# KiCad board q2v2.kicad_pcb (continued)
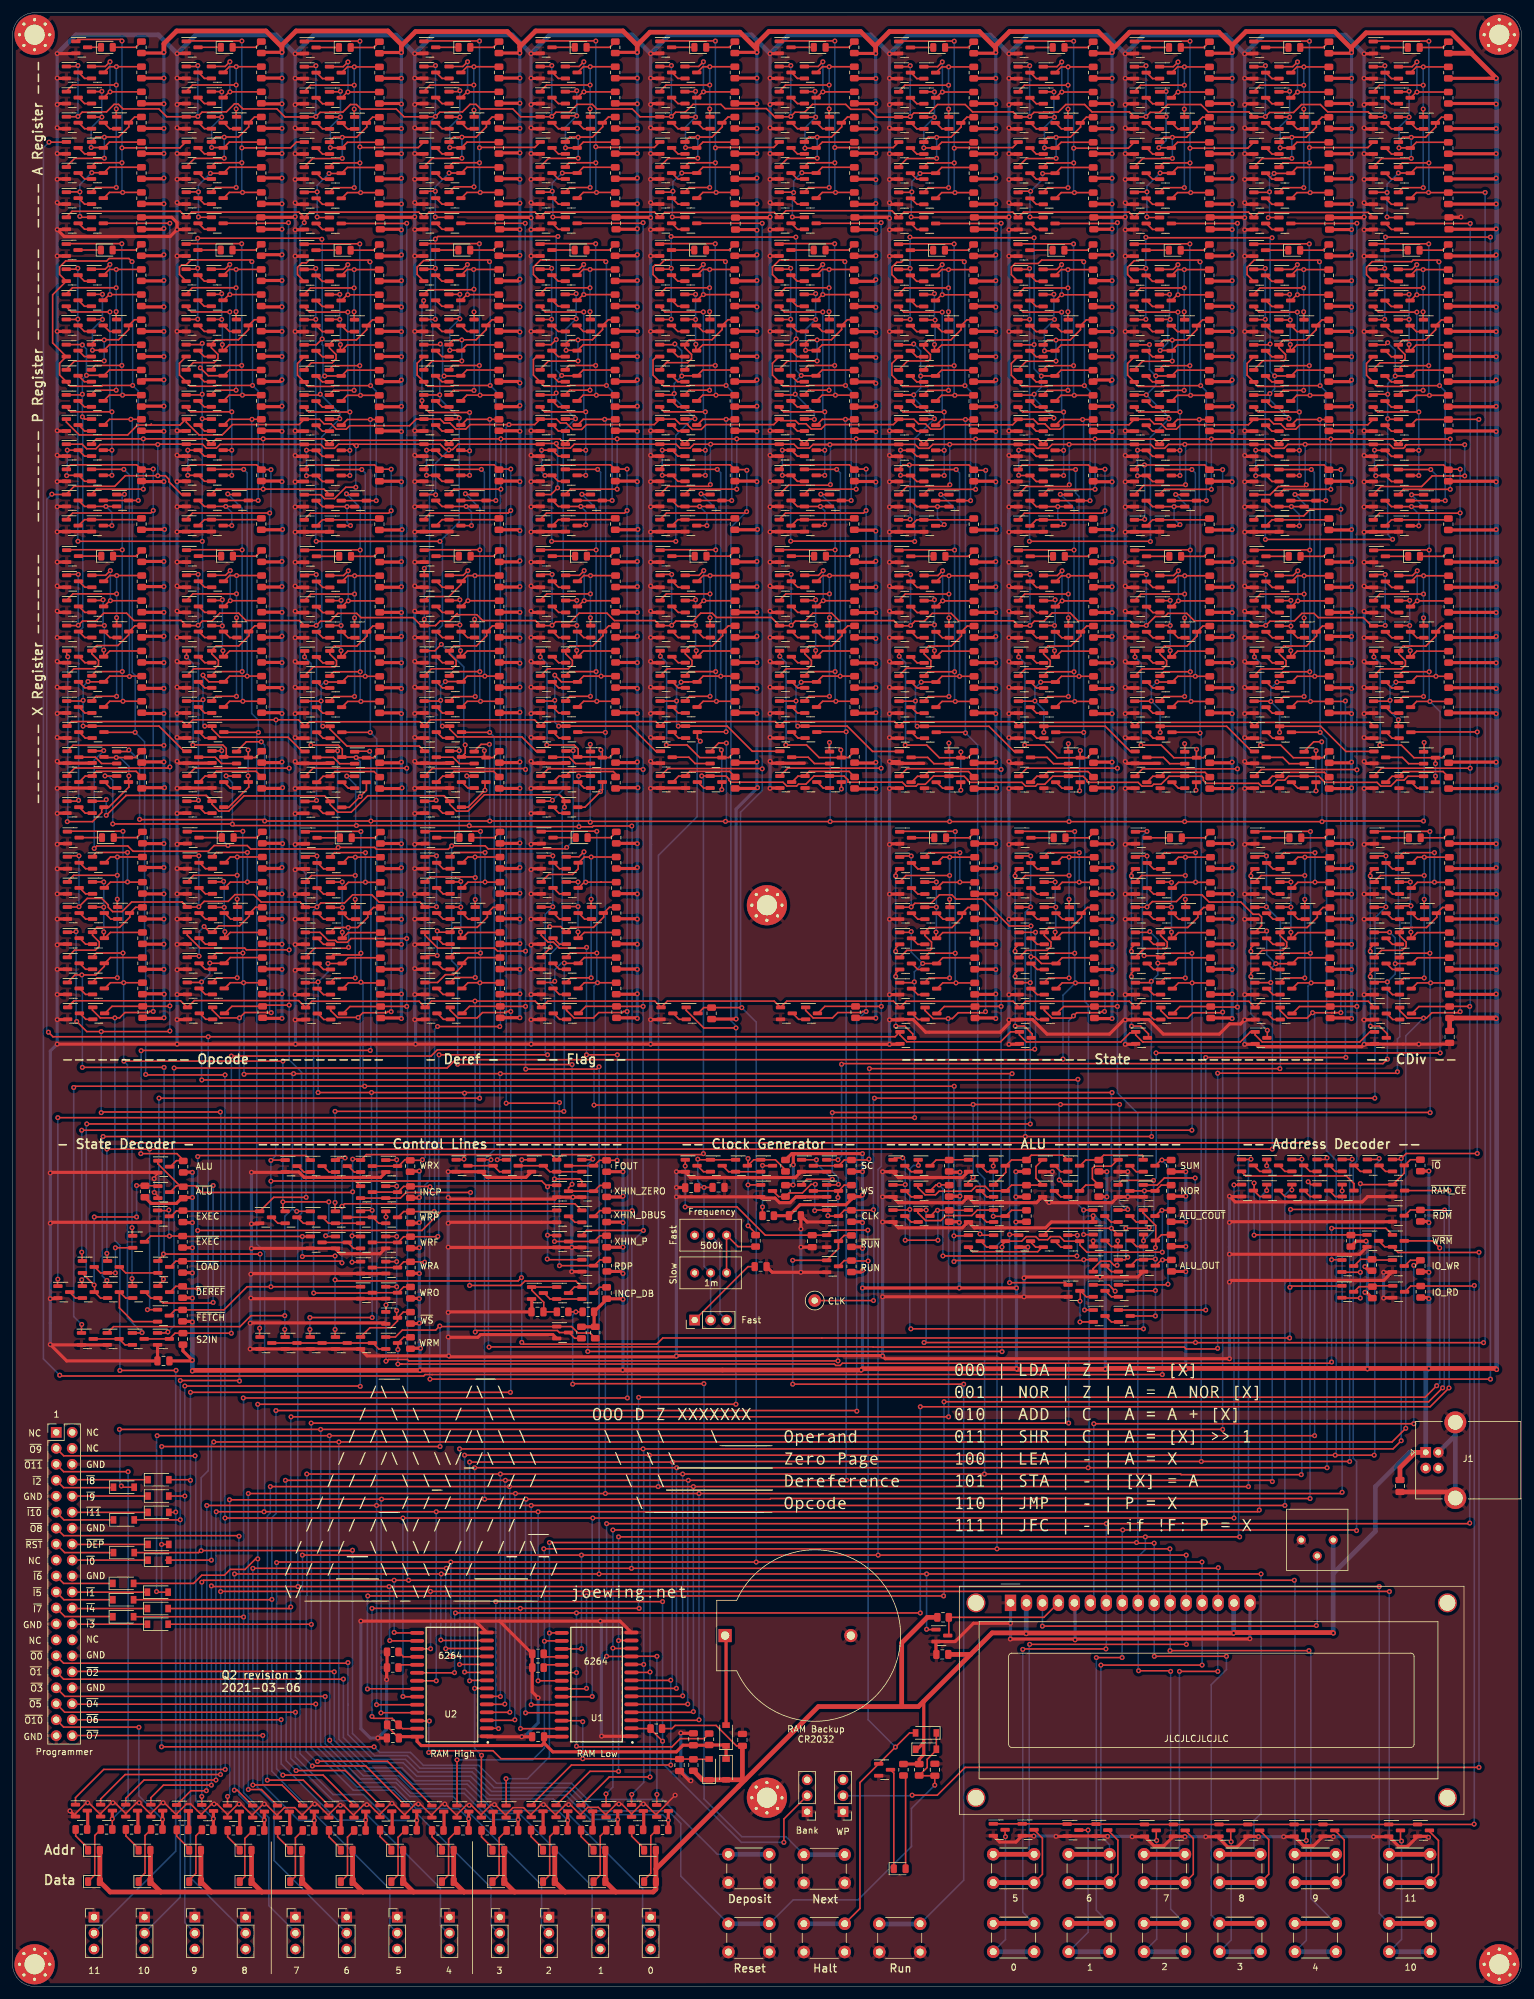
[diagram p0: board, top side]
## Routing (per net, layer and track width the routed paths; a pad name or vN(x,y) marks a point on that pad's centre or on a via; arc(x,y) is an arc through that point) (continued)
Net-(Q533-Pad2): length 2.4
  Top w0.25: 67.36,256.27 68.31,255.32 69.36,255.32
Net-(Q534-Pad2): length 2.4
  Top w0.25: 67.36,272.27 68.31,271.32 69.36,271.32
Net-(Q535-Pad1): length 20.1
  Top w0.25: R228.2 76.27,265.18 75.36,264.27 75.36,263.62 73.73,261.99 71.48,261.99 ; 69.36,261.22 70.13,261.99 71.48,261.99 ; 71.48,261.99 v1(71.45,261.97) ; 65.36,257.22 66.73,258.59 71.42,258.59 v1(71.45,258.63)
  Bottom w0.25: v1(71.45,261.97) v1(71.45,258.63)
Net-(Q537-Pad2): length 2.4
  Top w0.25: 71.36,264.27 72.3,263.32 73.36,263.32
Net-(Q538-Pad2): length 2.4
  Top w0.25: 67.36,264.27 68.31,263.32 69.36,263.32
Net-(Q540-Pad2): length 2.4
  Top w0.25: 67.36,260.27 68.31,259.32 69.36,259.32
Net-(Q542-Pad2): length 2.4
  Top w0.25: 67.38,280.52 68.33,279.57 69.38,279.57
Net-(Q544-Pad1): length 39.3
  Top w0.25: 71.38,304.52 72.29,305.43 v1(73.39,305.43) R234.2 ; 65.38,301.47 66.42,302.52 v1(73.38,302.52) ; v1(73.4,286.33) 70.29,286.33 69.44,285.47 ; v1(73.4,298.53) 73.4,297.51
  Bottom w0.25: v1(73.39,305.43) 73.38,305.42 v1(73.38,302.52) 73.38,298.55 v1(73.4,298.53) v1(73.4,286.33)
Net-(Q544-Pad2): length 2.4
  Top w0.25: 67.38,284.52 68.33,283.57 69.38,283.57
Net-(Q545-Pad1): length 21.3
  Top w0.25: 71.38,292.52 72.29,293.43 R236.2 ; v1(71.15,297.43) 69.48,297.43 ; Q545.1 71,301.47 v1(71.15,301.63) ; v1(69.55,292.57) 71.26,292.57
  Bottom w0.25: v1(71.15,301.63) v1(71.15,297.43) 69.55,295.83 v1(69.55,292.57)
Net-(Q545-Pad2): length 2.4
  Top w0.25: 67.38,300.52 68.33,299.57 69.38,299.57
Net-(Q545-Pad3): length 14.5
  Top w0.25: 71.38,300.52 72.29,301.43 v1(72.39,301.43) R231.2 ; v1(72.38,306.22) 71.62,305.47 69.38,305.47
  Bottom w0.25: v1(72.38,306.22) 72.38,301.45 v1(72.39,301.43)
Net-(Q549-Pad2): length 2.4
  Top w0.25: 67.38,288.52 68.33,287.57 69.38,287.57
Net-(Q550-Pad2): length 2.4
  Top w0.25: 67.38,304.52 68.33,303.57 69.38,303.57
Net-(Q551-Pad1): length 20.1
  Top w0.25: R235.2 76.29,297.43 75.38,296.52 75.38,295.87 73.75,294.25 71.5,294.25 ; 69.38,293.47 70.15,294.25 71.5,294.25 ; 71.5,294.25 v1(71.47,294.22) ; 65.38,289.47 66.75,290.85 71.44,290.85 v1(71.47,290.88)
  Bottom w0.25: v1(71.47,294.22) v1(71.47,290.88)
Net-(Q553-Pad2): length 2.4
  Top w0.25: 71.38,296.52 72.32,295.57 73.38,295.57
Net-(Q554-Pad2): length 2.4
  Top w0.25: 67.38,296.52 68.33,295.57 69.38,295.57
Net-(Q556-Pad2): length 2.4
  Top w0.25: 67.38,292.52 68.33,291.57 69.38,291.57
Net-(Q558-Pad2): length 2.3
  Top w0.25: 71.48,191.62 72.43,190.67 73.38,190.67
Net-(Q559-Pad2): length 2.4
  Top w0.25: 67.47,199.57 68.42,198.62 69.47,198.62
Net-(Q560-Pad2): length 2.4
  Top w0.25: 67.48,187.62 68.43,186.67 69.48,186.67
Net-(Q561-Pad2): length 6.4
  Top w0.25: 71.05,194.57 70.05,195.57 67.48,195.57 ; 71.01,194.57 73.38,194.57
Net-(Q563-Pad1): length 11
  Top w0.25: R238.2 76.54,193.32 70.22,193.32 69.48,192.57 68.43,192.57 67.48,191.62
Net-(Q568-Pad1): length 38.5
  Top w0.25: 71.42,223.56 72.34,224.47 v1(73.55,224.47) R243.2 ; Q577.1 73.49,217.51 v1(73.5,217.53) ; Q574.3 71.36,223.08 69.42,221.14 66.11,221.14 Q571.1 ; Q568.1 70.2,205.23 v1(73.6,205.23)
  Bottom w0.25: v1(73.6,205.23) 73.5,205.33 v1(73.5,217.53) 73.5,224.42 v1(73.55,224.47)
Net-(Q568-Pad2): length 2.4
  Top w0.25: 67.42,203.56 68.38,202.61 69.42,202.61
Net-(Q569-Pad1): length 18.6
  Top w0.25: 71.42,211.56 72.34,212.47 R245.2 ; v1(71.25,212.53) 71.25,211.67 ; v1(71.15,220.63) 71.03,220.51 Q569.1 ; v1(71.15,216.63) 69.6,216.63
  Bottom w0.25: v1(71.15,220.63) v1(71.15,216.63) 71.15,212.63 v1(71.25,212.53)
Net-(Q569-Pad2): length 2.4
  Top w0.25: 67.42,219.56 68.38,218.61 69.42,218.61
Net-(Q569-Pad3): length 14.5
  Top w0.25: 71.42,219.56 72.34,220.47 v1(72.44,220.47) R240.2 ; v1(72.42,225.26) 71.67,224.51 69.42,224.51
  Bottom w0.25: v1(72.42,225.26) 72.42,220.49 v1(72.44,220.47)
Net-(Q573-Pad2): length 2.4
  Top w0.25: 67.42,207.56 68.38,206.61 69.42,206.61
Net-(Q574-Pad2): length 2.4
  Top w0.25: 67.42,223.56 68.38,222.61 69.42,222.61
Net-(Q575-Pad1): length 18.5
  Top w0.25: R244.2 76.34,216.47 75.42,215.56 75.42,214.91 73.8,213.29 70.2,213.29 69.42,212.51 ; Q575.1 66.63,209.65 69.93,209.65 70.55,210.26 70.55,210.96 69.49,212.03 Q580.1
Net-(Q577-Pad2): length 2.4
  Top w0.25: 71.42,215.56 72.37,214.61 73.42,214.61
Net-(Q578-Pad2): length 2.4
  Top w0.25: 67.42,215.56 68.38,214.61 69.42,214.61
Net-(Q580-Pad2): length 2.4
  Top w0.25: 67.42,211.56 68.38,210.61 69.42,210.61
Net-(Q582-Pad1): length 39.5
  Top w0.25: 71.54,178.78 72.45,179.69 v1(73.57,179.69) R250.2 ; Q582.1 70.39,160.53 v1(73.6,160.53) ; v1(73.6,172.93) 73.6,171.73 ; v1(73.6,176.43) 73.49,176.53 66.4,176.53 Q585.1
  Bottom w0.25: v1(73.57,179.69) 73.6,179.66 v1(73.6,176.43) v1(73.6,172.93) v1(73.6,160.53)
Net-(Q582-Pad2): length 2.4
  Top w0.25: 67.54,158.78 68.49,157.83 69.54,157.83
Net-(Q583-Pad1): length 18.9
  Top w0.25: 71.54,166.78 72.45,167.69 R252.2 ; v1(71.26,167.78) 71.26,166.99 Q594.3 ; Q583.1 71.22,175.73 v1(71.3,175.81) ; v1(71.3,171.73) 69.6,171.73
  Bottom w0.25: v1(71.3,175.81) v1(71.3,171.73) 71.3,167.82 v1(71.26,167.78)
Net-(Q583-Pad2): length 2.4
  Top w0.25: 67.54,174.78 68.49,173.83 69.54,173.83
Net-(Q583-Pad3): length 17.1
  Top w0.25: 71.54,174.78 72.45,175.69 75.1,175.69 ; 75.15,175.69 75.15,175.71 v1(75.16,175.72) 75.13,175.72 75.1,175.69 ; 75.15,175.69 R247.2 ; 75.15,175.69 75.1,175.69 ; 69.54,179.73 70.22,180.42 v1(75.16,180.42)
  Bottom w0.25: v1(75.16,175.72) v1(75.16,180.42)
Net-(Q587-Pad2): length 2.4
  Top w0.25: 67.54,162.78 68.49,161.83 69.54,161.83
Net-(Q588-Pad2): length 2.4
  Top w0.25: 67.54,178.78 68.49,177.83 69.54,177.83
Net-(Q589-Pad1): length 18.1
  Top w0.25: R251.2 76.45,171.69 75.54,170.78 75.54,170.13 73.91,168.51 70.31,168.51 69.54,167.73 ; Q594.1 67.75,167.73 v1(67.55,167.93) ; v1(67.55,164.03) 65.89,164.03 Q589.1
  Bottom w0.25: v1(67.55,167.93) v1(67.55,164.03)
Net-(Q591-Pad2): length 2.4
  Top w0.25: 71.54,170.78 72.48,169.83 73.54,169.83
Net-(Q592-Pad2): length 2.4
  Top w0.25: 67.54,170.78 68.49,169.83 69.54,169.83
Net-(Q594-Pad2): length 2.4
  Top w0.25: 67.54,166.78 68.49,165.83 69.54,165.83
Net-(Q596-Pad2): length 2.4
  Top w0.25: 182.6,153.85 181.55,153.85 180.6,154.8
Net-(Q599-Pad2): length 2.4
  Top w0.25: 182.4,247.45 181.35,247.45 180.4,248.4
Net-(Q601-Pad2): length 13
  Top w0.25: 179.3,240.3 180.3,240.3 ; 182.4,243.45 181.35,243.45 180.4,244.4 ; 182.4,239.45 181.35,239.45 180.4,240.4 ; v1(178.95,244.43) 178.98,244.4 Q605.3 ; Q606.3 179,240.4 v1(178.95,240.35)
  Bottom w0.25: 178.95,243.73 178.95,243.73 v1(178.95,244.43) ; 178.95,243.73 v1(178.95,240.35) ; 178.95,243.73 178.95,244.05
Net-(Q603-Pad2): length 11.3
  Top w0.25: 180.4,236.4 181.35,235.45 Q604.2 ; v1(185.7,232.58) 185.52,232.4 184.4,232.4
  Bottom w0.25: 185.7,232.4 v1(185.7,232.58) 184.77,233.51 v1(184.77,235.45)
Net-(Q608-Pad1): length 10.2
  Top w0.25: 180.4,232.4 181.35,233.35 190.19,233.35
Net-(Q610-Pad1): length 39.6
  Top w0.25: R261.2 v1(186.39,273.15) 185.29,273.15 184.38,272.24 ; v1(186.38,270.24) 179.43,270.24 178.38,269.19 ; v1(186.38,266.44) 186.38,265.19 ; 182.38,253.19 183.13,253.94 v1(186.38,253.94)
  Bottom w0.25: v1(186.39,273.15) 186.38,273.14 v1(186.38,270.24) v1(186.38,266.44) v1(186.38,253.94)
Net-(Q610-Pad2): length 2.4
  Top w0.25: 180.38,252.24 181.33,251.29 182.38,251.29
Net-(Q611-Pad1): length 21
  Top w0.25: R263.2 185.29,261.15 184.38,260.24 ; Q611.1 184.01,269.19 v1(184.05,269.23) ; v1(182.55,260.29) 184.27,260.29 ; v1(184.15,265.23) 182.48,265.23
  Bottom w0.25: v1(184.05,269.23) 184.05,265.33 v1(184.15,265.23) 183.75,264.83 183.75,261.5 v1(182.55,260.29)
Net-(Q611-Pad2): length 2.4
  Top w0.25: 180.38,268.24 181.33,267.29 182.38,267.29
Net-(Q611-Pad3): length 14.5
  Top w0.25: R258.2 v1(185.39,269.15) 185.29,269.15 184.38,268.24 ; v1(185.38,273.94) 184.63,273.19 182.38,273.19
  Bottom w0.25: v1(185.39,269.15) 185.38,269.17 v1(185.38,273.94)
Net-(Q615-Pad2): length 2.4
  Top w0.25: 182.38,255.29 181.33,255.29 180.38,256.24
Net-(Q616-Pad2): length 2.4
  Top w0.25: 182.38,271.29 181.33,271.29 180.38,272.24
Net-(Q617-Pad1): length 20.1
  Top w0.25: 178.38,257.19 179.75,258.57 184.44,258.57 v1(184.48,258.6) ; 184.51,261.97 186.75,261.97 188.38,263.59 188.38,264.24 189.29,265.15 R262.2 ; 184.51,261.97 183.16,261.97 182.38,261.19 ; 184.51,261.97 v1(184.48,261.94)
  Bottom w0.25: v1(184.48,261.94) v1(184.48,258.6)
Net-(Q619-Pad2): length 2.4
  Top w0.25: 186.38,263.29 185.33,263.29 184.38,264.24
Net-(Q620-Pad2): length 2.4
  Top w0.25: 180.38,264.24 181.33,263.29 182.38,263.29
Net-(Q622-Pad2): length 2.4
  Top w0.25: 182.38,259.29 181.33,259.29 180.38,260.24
Net-(Q624-Pad2): length 2.4
  Top w0.25: 182.4,279.55 181.35,279.55 180.4,280.5
Net-(Q626-Pad1): length 39.6
  Top w0.25: v1(186.4,298.7) 186.4,297.45 ; 182.4,285.45 183.15,286.2 v1(186.4,286.2) ; 184.4,304.5 185.31,305.41 v1(186.41,305.41) R268.2 ; 178.4,301.45 179.45,302.5 v1(186.4,302.5)
  Bottom w0.25: v1(186.4,286.2) v1(186.4,298.7) v1(186.4,302.5) 186.4,305.4 v1(186.41,305.41)
Net-(Q626-Pad2): length 2.4
  Top w0.25: 182.4,283.55 181.35,283.55 180.4,284.5
Net-(Q627-Pad1): length 19.9
  Top w0.25: v1(183.5,301.5) 183.45,301.45 182.4,301.45 ; R270.2 185.31,293.41 184.4,292.5 ; v1(183.5,297.5) 182.45,297.5 ; v1(182.35,292.55) 184.29,292.55
  Bottom w0.25: v1(183.5,301.5) v1(183.5,297.5) 183.5,293.7 v1(182.35,292.55)
Net-(Q627-Pad2): length 2.4
  Top w0.25: 180.4,300.5 181.35,299.55 182.4,299.55
Net-(Q627-Pad3): length 14.5
  Top w0.25: v1(185.4,306.2) 184.65,305.45 182.4,305.45 ; R265.2 v1(185.41,301.41) 185.31,301.41 184.4,300.5
  Bottom w0.25: v1(185.4,306.2) 185.4,301.42 v1(185.41,301.41)
Net-(Q631-Pad2): length 2.4
  Top w0.25: 182.4,287.55 181.35,287.55 180.4,288.5
Net-(Q632-Pad2): length 2.4
  Top w0.25: 180.4,304.5 181.35,303.55 182.4,303.55
Net-(Q633-Pad1): length 20.1
  Top w0.25: v1(184.5,290.86) 184.46,290.82 179.77,290.82 178.4,289.45 ; 184.53,294.22 v1(184.5,294.2) ; 184.53,294.22 186.78,294.22 188.4,295.85 188.4,296.5 189.31,297.41 R269.2 ; 184.53,294.22 183.18,294.22 182.4,293.45
  Bottom w0.25: v1(184.5,294.2) v1(184.5,290.86)
Net-(Q635-Pad2): length 2.4
  Top w0.25: 186.4,295.55 185.35,295.55 184.4,296.5
Net-(Q636-Pad2): length 2.4
  Top w0.25: 180.4,296.5 181.35,295.55 182.4,295.55
Net-(Q638-Pad2): length 2.4
  Top w0.25: 182.4,291.55 181.35,291.55 180.4,292.5
Net-(Q640-Pad2): length 2.3
  Top w0.25: 184.5,191.6 185.45,190.65 186.4,190.65
Net-(Q641-Pad2): length 2.4
  Top w0.25: 182.5,198.6 181.45,198.6 180.5,199.55
Net-(Q642-Pad2): length 6.4
  Top w0.25: 184.08,194.55 183.08,195.55 180.5,195.55 ; 184.04,194.55 186.4,194.55
Net-(Q643-Pad3): length 11
  Top w0.25: R272.2 189.69,193.17 183.19,193.17 Q644.1 181.39,192.55 Q643.3
Net-(Q647-Pad1): length 39.6
  Top w0.25: v1(186.45,217.74) 186.45,216.49 ; 182.45,204.49 183.2,205.24 v1(186.45,205.24) ; 184.45,223.54 185.36,224.45 v1(186.46,224.45) R277.2 ; v1(186.45,221.54) 179.5,221.54 178.45,220.49
  Bottom w0.25: v1(186.46,224.45) 186.45,224.44 v1(186.45,221.54) v1(186.45,217.74) v1(186.45,205.24)
Net-(Q647-Pad2): length 2.4
  Top w0.25: 180.45,203.54 181.4,202.59 182.45,202.59
Net-(Q648-Pad1): length 18.7
  Top w0.25: 184.45,211.54 185.36,212.45 R279.2 ; v1(184.15,212.54) 184.15,211.77 Q659.3 ; Q648.1 184.11,220.49 v1(184.15,220.53) ; v1(184.15,216.53) 182.55,216.53
  Bottom w0.25: v1(184.15,220.53) v1(184.15,216.53) v1(184.15,212.54)
Net-(Q648-Pad2): length 2.4
  Top w0.25: 182.45,218.59 181.4,218.59 180.45,219.54
Net-(Q648-Pad3): length 14.5
  Top w0.25: 182.45,224.49 184.7,224.49 v1(185.45,225.24) ; R274.2 v1(185.46,220.45) 185.36,220.45 184.45,219.54
  Bottom w0.25: v1(185.45,225.24) 185.45,220.46 v1(185.46,220.45)
Net-(Q652-Pad2): length 2.4
  Top w0.25: 182.45,206.59 181.4,206.59 180.45,207.54
Net-(Q653-Pad2): length 2.4
  Top w0.25: 180.45,223.54 181.4,222.59 182.45,222.59
Net-(Q654-Pad1): length 18.5
  Top w0.25: 182.45,212.49 183.23,213.26 186.82,213.26 188.45,214.89 188.45,215.54 189.36,216.45 R278.2 ; Q654.1 179.65,209.62 182.96,209.62 183.58,210.24 183.58,210.94 182.51,212 Q659.1
Net-(Q656-Pad2): length 2.4
  Top w0.25: 186.45,214.59 185.4,214.59 184.45,215.54
Net-(Q657-Pad2): length 2.4
  Top w0.25: 182.45,214.59 181.4,214.59 180.45,215.54
Net-(Q659-Pad2): length 2.4
  Top w0.25: 180.45,211.54 181.4,210.59 182.45,210.59
Net-(Q661-Pad1): length 39.6
  Top w0.25: v1(186.56,176.76) 179.61,176.76 178.56,175.71 ; v1(186.56,172.96) 186.56,171.71 ; 184.56,178.76 185.47,179.67 v1(186.57,179.67) R284.2 ; 182.56,159.71 183.31,160.46 v1(186.56,160.46)
  Bottom w0.25: v1(186.56,160.46) v1(186.56,172.96) v1(186.56,176.76) 186.56,179.66 v1(186.57,179.67)
Net-(Q661-Pad2): length 2.4
  Top w0.25: 182.56,157.81 181.51,157.81 180.56,158.76
Net-(Q662-Pad1): length 18.6
  Top w0.25: R286.2 185.47,167.67 184.56,166.76 ; v1(184.35,175.66) 184.3,175.71 Q662.1 ; v1(184.35,167.76) 184.35,166.9 ; v1(184.35,171.73) 182.64,171.73
  Bottom w0.25: v1(184.35,167.76) v1(184.35,171.73) v1(184.35,175.66)
Net-(Q662-Pad2): length 2.4
  Top w0.25: 182.56,173.81 181.51,173.81 180.56,174.76
Net-(Q662-Pad3): length 17.1
  Top w0.25: R281.2 188.17,175.67 ; 188.17,175.67 188.17,175.68 v1(188.19,175.7) 188.16,175.7 188.13,175.67 ; 188.17,175.67 188.13,175.67 ; 182.56,179.71 183.25,180.39 v1(188.19,180.39) ; 184.56,174.76 185.47,175.67 188.13,175.67
  Bottom w0.25: v1(188.19,175.7) v1(188.19,180.39)
Net-(Q666-Pad2): length 2.4
  Top w0.25: 182.56,161.81 181.51,161.81 180.56,162.76
Net-(Q667-Pad2): length 2.4
  Top w0.25: 180.56,178.76 181.51,177.81 182.56,177.81
Net-(Q668-Pad1): length 20.4
  Top w0.25: R285.2 189.47,171.67 188.56,170.76 188.56,170.11 186.94,168.48 183.34,168.48 182.56,167.71 ; 179.94,165.08 178.56,163.71 ; Q673.1 182.62,167.22 183.69,166.16 183.69,165.46 183.35,165.13 180.04,165.13 Q668.1
Net-(Q670-Pad2): length 2.4
  Top w0.25: 186.56,169.81 185.51,169.81 184.56,170.76
Net-(Q671-Pad2): length 2.4
  Top w0.25: 180.56,170.76 181.51,169.81 182.56,169.81
Net-(Q673-Pad2): length 2.4
  Top w0.25: 182.56,165.81 181.51,165.81 180.56,166.76
Net-(Q675-Pad1): length 6.4
  Top w0.25: 219.45,115.58 216.36,115.58 ; 213.4,114.63 214.46,115.69 R288.2
Net-(Q676-Pad1): length 6.3
  Top w0.25: R291.2 214.21,111.34 213.4,110.53 ; 219.5,111.48 216.44,111.48
Net-(Q679-Pad2): length 2.4
  Top w0.25: 219.45,129.68 218.4,129.68 217.45,130.63
Net-(Q680-Pad2): length 2.4
  Top w0.25: 215.45,129.68 214.4,129.68 213.45,130.63
Net-(Q681-Pad2): length 2.4
  Top w0.25: 209.45,130.63 210.4,129.68 211.45,129.68
Net-(Q682-Pad2): length 2.4
  Top w0.25: 207.45,129.68 206.4,129.68 205.45,130.63
Net-(Q683-Pad2): length 201.7
  Top w0.25: v1(143.1,30.43) 147.1,30.43 151.53,34.85 v1(233.27,34.85) ; Q687.3 218.29,117.68 Q683.2 220.41,116.78 233.25,116.78 v1(233.27,116.8)
  Bottom w0.25: SW2.2 143.01,30.34 v1(143.1,30.43) ; v1(233.27,116.8) v1(233.27,34.85)
Net-(Q685-Pad2): length 2.4
  Top w0.25: 203.45,129.68 202.4,129.68 201.45,130.63
Net-(Q686-Pad2): length 2.4
  Top w0.25: 197.45,130.63 198.4,129.68 199.45,129.68
Net-(Q688-Pad2): length 19.9
  Top w0.25: Q689.3 213.39,127.74 212.18,128.95 196.18,128.95 195.45,129.68
Net-(Q689-Pad2): length 2.4
  Top w0.25: 211.45,125.68 210.4,125.68 209.45,126.63
Net-(Q690-Pad2): length 2.4
  Top w0.25: 207.45,125.68 206.4,125.68 205.45,126.63
Net-(Q691-Pad2): length 2.4
  Top w0.25: 201.45,126.63 202.4,125.68 203.45,125.68
Net-(Q695-Pad2): length 2.4
  Top w0.25: 86.07,154.82 87.03,153.87 88.07,153.87
Net-(Q697-Pad2): length 2.4
  Top w0.25: 85.88,248.42 86.82,247.47 87.88,247.47
Net-(Q699-Pad2): length 11.9
  Top w0.25: 87.88,243.47 86.82,243.47 85.88,244.42 84.16,244.42 v1(84.15,244.43) ; 85.88,240.42 86.82,239.47 87.88,239.47 ; Q704.3 84.71,240.42 v1(84.69,240.4)
  Bottom w0.25: v1(84.69,240.4) 84.15,240.95 v1(84.15,244.43)
Net-(Q701-Pad2): length 11.1
  Top w0.25: 85.88,236.42 86.82,235.47 v1(90.4,235.47) 91.88,235.47 ; 89.88,232.42 91.04,232.42 v1(91.18,232.55)
  Bottom w0.25: 91.18,232.42 v1(91.18,232.55) 91.18,234.69 v1(90.4,235.47)
Net-(Q706-Pad1): length 10.2
  Top w0.25: 85.88,232.42 86.82,233.37 95.66,233.37
Net-(Q708-Pad1): length 39.6
  Top w0.25: 89.85,272.27 90.77,273.18 v1(91.87,273.18) R310.2 ; v1(91.85,253.97) 88.6,253.97 87.85,253.22 ; v1(91.85,266.47) 91.85,265.22 ; 83.85,269.22 84.91,270.27 v1(91.85,270.27)
  Bottom w0.25: v1(91.85,253.97) v1(91.85,266.47) v1(91.85,270.27) 91.85,273.17 v1(91.87,273.18)
Net-(Q708-Pad2): length 2.4
  Top w0.25: 85.85,252.27 86.81,251.32 87.85,251.32
Net-(Q709-Pad1): length 21.1
  Top w0.25: 89.85,260.27 90.77,261.18 R312.2 ; v1(89.65,269.33) 89.54,269.22 Q709.1 ; v1(88.05,260.32) 89.74,260.32 ; v1(89.65,265.33) 88.03,265.33
  Bottom w0.25: v1(88.05,260.32) 88.05,263.73 v1(89.65,265.33) v1(89.65,269.33)
Net-(Q709-Pad2): length 2.4
  Top w0.25: 85.85,268.27 86.81,267.32 87.85,267.32
Net-(Q709-Pad3): length 14.5
  Top w0.25: 89.85,268.27 90.77,269.18 v1(90.87,269.18) R307.2 ; v1(90.85,273.97) 90.1,273.22 87.85,273.22
  Bottom w0.25: v1(90.85,273.97) 90.85,269.19 v1(90.87,269.18)
Net-(Q713-Pad2): length 2.4
  Top w0.25: 85.85,256.27 86.81,255.32 87.85,255.32
Net-(Q714-Pad2): length 2.4
  Top w0.25: 85.85,272.27 86.81,271.32 87.85,271.32
Net-(Q715-Pad1): length 20.1
  Top w0.25: R311.2 94.77,265.18 93.85,264.27 93.85,263.62 92.23,261.99 89.98,261.99 ; 87.85,261.22 88.63,261.99 89.98,261.99 ; 89.98,261.99 v1(89.96,261.97) ; 83.85,257.22 85.23,258.59 89.92,258.59 v1(89.96,258.63)
  Bottom w0.25: v1(89.96,261.97) v1(89.96,258.63)
Net-(Q717-Pad2): length 2.4
  Top w0.25: 89.85,264.27 90.8,263.32 91.85,263.32
Net-(Q718-Pad2): length 2.4
  Top w0.25: 85.85,264.27 86.81,263.32 87.85,263.32
Net-(Q720-Pad2): length 2.4
  Top w0.25: 85.85,260.27 86.81,259.32 87.85,259.32
Net-(Q722-Pad2): length 2.4
  Top w0.25: 85.88,280.52 86.82,279.57 87.88,279.57
Net-(Q724-Pad1): length 39.6
  Top w0.25: 89.88,304.52 90.79,305.43 v1(91.89,305.43) R317.2 ; v1(91.88,286.22) 88.62,286.22 87.88,285.47 ; v1(91.88,298.72) 91.88,297.47 ; 83.88,301.47 84.93,302.52 v1(91.88,302.52)
  Bottom w0.25: v1(91.88,286.22) v1(91.88,298.72) v1(91.88,302.52) 91.88,305.42 v1(91.89,305.43)
Net-(Q724-Pad2): length 2.4
  Top w0.25: 85.88,284.52 86.82,283.57 87.88,283.57
Net-(Q725-Pad1): length 21.6
  Top w0.25: 89.88,292.52 90.79,293.43 R319.2 ; v1(87.95,292.53) 89.81,292.53 ; v1(89.75,301.63) 89.59,301.47 Q725.1 ; v1(89.75,297.63) 88.09,297.63
  Bottom w0.25: v1(87.95,292.53) 87.95,295.83 v1(89.75,297.63) v1(89.75,301.63)
Net-(Q725-Pad2): length 2.4
  Top w0.25: 85.88,300.52 86.82,299.57 87.88,299.57
Net-(Q725-Pad3): length 14.5
  Top w0.25: 89.88,300.52 90.79,301.43 v1(90.89,301.43) R314.2 ; v1(90.88,306.22) 90.12,305.47 87.88,305.47
  Bottom w0.25: v1(90.88,306.22) 90.88,301.45 v1(90.89,301.43)
Net-(Q729-Pad2): length 2.4
  Top w0.25: 85.88,288.52 86.82,287.57 87.88,287.57
Net-(Q730-Pad2): length 2.4
  Top w0.25: 85.88,304.52 86.82,303.57 87.88,303.57
Net-(Q731-Pad1): length 20.1
  Top w0.25: R318.2 94.79,297.43 93.88,296.52 93.88,295.87 92.25,294.25 90,294.25 ; 87.88,293.47 88.65,294.25 90,294.25 ; 90,294.25 v1(89.97,294.22) ; 83.88,289.47 85.25,290.85 89.94,290.85 v1(89.97,290.88)
  Bottom w0.25: v1(89.97,294.22) v1(89.97,290.88)
Net-(Q733-Pad2): length 2.4
  Top w0.25: 89.88,296.52 90.82,295.57 91.88,295.57
Net-(Q734-Pad2): length 2.4
  Top w0.25: 85.88,296.52 86.82,295.57 87.88,295.57
Net-(Q736-Pad2): length 2.4
  Top w0.25: 85.88,292.52 86.82,291.57 87.88,291.57
Net-(Q738-Pad2): length 2.3
  Top w0.25: 89.98,191.62 90.93,190.67 91.88,190.67
Net-(Q739-Pad2): length 2.4
  Top w0.25: 85.97,199.57 86.93,198.62 87.97,198.62
Net-(Q740-Pad2): length 2.4
  Top w0.25: 85.98,187.62 86.93,186.67 87.98,186.67
Net-(Q741-Pad2): length 6.4
  Top w0.25: 91.94,194.57 89.55,194.57 88.55,195.57 85.98,195.57
Net-(Q743-Pad1): length 11.3
  Top w0.25: 85.98,191.62 86.93,192.57 87.98,192.57 88.7,193.3 95.57,193.3 95.93,192.95 R321.2
Net-(Q748-Pad1): length 39.6
  Top w0.25: 89.93,223.56 90.84,224.47 v1(91.94,224.47) R326.2 ; v1(91.93,205.26) 88.68,205.26 87.93,204.51 ; v1(91.93,217.76) 91.93,216.51 ; 83.93,220.51 84.97,221.56 v1(91.93,221.56)
  Bottom w0.25: v1(91.93,205.26) v1(91.93,217.76) v1(91.93,221.56) 91.93,224.46 v1(91.94,224.47)
Net-(Q748-Pad2): length 2.4
  Top w0.25: 85.93,203.56 86.88,202.61 87.93,202.61
Net-(Q749-Pad1): length 18.7
  Top w0.25: 89.93,211.56 90.84,212.47 R328.2 ; Q749.1 89.74,220.51 v1(89.75,220.53) ; v1(89.74,212.56) 89.74,211.69 ; v1(89.75,216.53) 88,216.53
  Bottom w0.25: v1(89.74,212.56) 89.75,212.57 v1(89.75,216.53) v1(89.75,220.53)
Net-(Q749-Pad2): length 2.4
  Top w0.25: 85.93,219.56 86.88,218.61 87.93,218.61
Net-(Q749-Pad3): length 14.5
  Top w0.25: 89.93,219.56 90.84,220.47 v1(90.94,220.47) R323.2 ; v1(90.93,225.26) 90.18,224.51 87.93,224.51
  Bottom w0.25: v1(90.93,225.26) 90.93,220.49 v1(90.94,220.47)
Net-(Q753-Pad2): length 2.4
  Top w0.25: 85.93,207.56 86.88,206.61 87.93,206.61
Net-(Q754-Pad2): length 2.4
  Top w0.25: 85.93,223.56 86.88,222.61 87.93,222.61
Net-(Q755-Pad1): length 18.5
  Top w0.25: R327.2 94.84,216.47 93.93,215.56 93.93,214.91 92.3,213.29 90.05,213.29 ; 87.93,212.51 88.7,213.29 90.05,213.29 ; 90.05,213.29 90.03,213.26 ; Q760.1 87.99,212.03 89.05,210.96 89.05,210.26 88.43,209.65 85.13,209.65 Q755.1
Net-(Q757-Pad2): length 2.4
  Top w0.25: 89.93,215.56 90.87,214.61 91.93,214.61
Net-(Q758-Pad2): length 2.4
  Top w0.25: 85.93,215.56 86.88,214.61 87.93,214.61
Net-(Q760-Pad2): length 2.4
  Top w0.25: 85.93,211.56 86.88,210.61 87.93,210.61
Net-(Q762-Pad1): length 38.9
  Top w0.25: 90.04,178.78 90.95,179.69 v1(92.05,179.69) R333.2 ; v1(92.04,160.48) 88.79,160.48 88.04,159.73 ; v1(92.04,172.98) 92.04,171.73 ; Q765.1 84.72,176.36 84.73,176.36 85.3,176.93 89.1,176.93 89.97,177.8 Q768.3
  Bottom w0.25: v1(92.04,160.48) v1(92.04,172.98) 92.04,179.68 v1(92.05,179.69)
Net-(Q762-Pad2): length 2.4
  Top w0.25: 86.04,158.78 86.99,157.83 88.04,157.83
Net-(Q763-Pad1): length 18.9
  Top w0.25: 90.04,166.78 90.95,167.69 R335.2 ; Q763.1 89.94,175.73 v1(89.95,175.73) ; v1(89.95,167.78) 89.95,166.81 ; v1(89.95,171.81) 88.18,171.81
  Bottom w0.25: v1(89.95,167.78) 89.95,167.79 v1(89.95,171.81) 89.95,171.82 v1(89.95,175.73)
Net-(Q763-Pad2): length 2.4
  Top w0.25: 86.04,174.78 86.99,173.83 88.04,173.83
Net-(Q763-Pad3): length 14.6
  Top w0.25: 90.04,174.78 90.95,175.69 v1(91.17,175.69) 93.6,175.69 ; 93.65,175.69 93.65,175.71 93.66,175.72 93.63,175.72 93.6,175.69 ; 93.65,175.69 R330.2 ; 93.65,175.69 93.6,175.69 ; v1(90.9,180.53) 90.1,179.73 Q768.1
  Bottom w0.25: v1(90.9,180.53) 90.9,175.96 v1(91.17,175.69)
Net-(Q767-Pad2): length 2.4
  Top w0.25: 86.04,162.78 86.99,161.83 88.04,161.83
Net-(Q768-Pad2): length 2.4
  Top w0.25: 86.04,178.78 86.99,177.83 88.04,177.83
Net-(Q769-Pad1): length 18.6
  Top w0.25: R334.2 94.95,171.69 94.04,170.78 94.04,170.13 92.41,168.51 88.81,168.51 88.04,167.73 ; 84.04,163.73 85.55,165.25 v1(85.55,165.33) ; v1(85.45,168.63) 87.2,168.63 Q774.1
  Bottom w0.25: v1(85.45,168.63) 85.55,168.53 v1(85.55,165.33)
Net-(Q771-Pad2): length 2.4
  Top w0.25: 90.04,170.78 90.99,169.83 92.04,169.83
Net-(Q772-Pad2): length 2.4
  Top w0.25: 86.04,170.78 86.99,169.83 88.04,169.83
Net-(Q774-Pad2): length 2.4
  Top w0.25: 86.04,166.78 86.99,165.83 88.04,165.83
Net-(Q776-Pad2): length 2.4
  Top w0.25: 201.6,153.85 200.55,153.85 199.6,154.8
Net-(Q779-Pad2): length 2.4
  Top w0.25: 199.4,248.4 200.35,247.45 201.4,247.45
Net-(Q781-Pad2): length 12.1
  Top w0.25: 199.4,240.4 200.35,239.45 201.4,239.45 ; 199.4,244.4 200.35,243.45 201.4,243.45 ; v1(197.75,244.43) 197.78,244.4 Q785.3 ; Q786.3 197.8,240.4 v1(197.75,240.35)
  Bottom w0.25: v1(197.75,240.35) v1(197.75,244.43)
Net-(Q783-Pad2): length 11.3
  Top w0.25: 205.4,235.45 v1(203.43,235.45) 200.35,235.45 199.4,236.4 ; 203.4,232.4 v1(204.7,232.4)
  Bottom w0.25: v1(204.7,232.4) 204.7,234.18 v1(203.43,235.45)
Net-(Q788-Pad1): length 10.2
  Top w0.25: 209.19,233.35 200.35,233.35 199.4,232.4
Net-(Q790-Pad1): length 39.6
  Top w0.25: 197.38,269.19 198.43,270.24 v1(205.38,270.24) ; 201.38,253.19 202.13,253.94 v1(205.38,253.94) ; v1(205.38,266.44) 205.38,265.19 ; 203.38,272.24 204.29,273.15 v1(205.39,273.15) R344.2
  Bottom w0.25: v1(205.38,253.94) v1(205.38,266.44) v1(205.38,270.24) 205.38,273.14 v1(205.39,273.15)
Net-(Q790-Pad2): length 2.4
  Top w0.25: 201.38,251.29 200.33,251.29 199.38,252.24
Net-(Q791-Pad1): length 18.8
  Top w0.25: 203.38,260.24 204.29,261.15 R346.2 ; v1(203.25,265.14) 201.49,265.14 ; v1(203.15,269.23) 203.12,269.19 Q791.1 ; v1(203.25,261.24) 203.25,260.31
  Bottom w0.25: v1(203.15,269.23) 203.15,265.24 v1(203.25,265.14) v1(203.25,261.24)
Net-(Q791-Pad2): length 2.4
  Top w0.25: 199.38,268.24 200.33,267.29 201.38,267.29
Net-(Q791-Pad3): length 14.5
  Top w0.25: 203.38,268.24 204.29,269.15 v1(204.39,269.15) R341.2 ; v1(204.38,273.94) 203.63,273.19 201.38,273.19
  Bottom w0.25: v1(204.38,273.94) 204.38,269.17 v1(204.39,269.15)
Net-(Q795-Pad2): length 2.4
  Top w0.25: 199.38,256.24 200.33,255.29 201.38,255.29